# KiCad board KB75.kicad_pcb (continued)
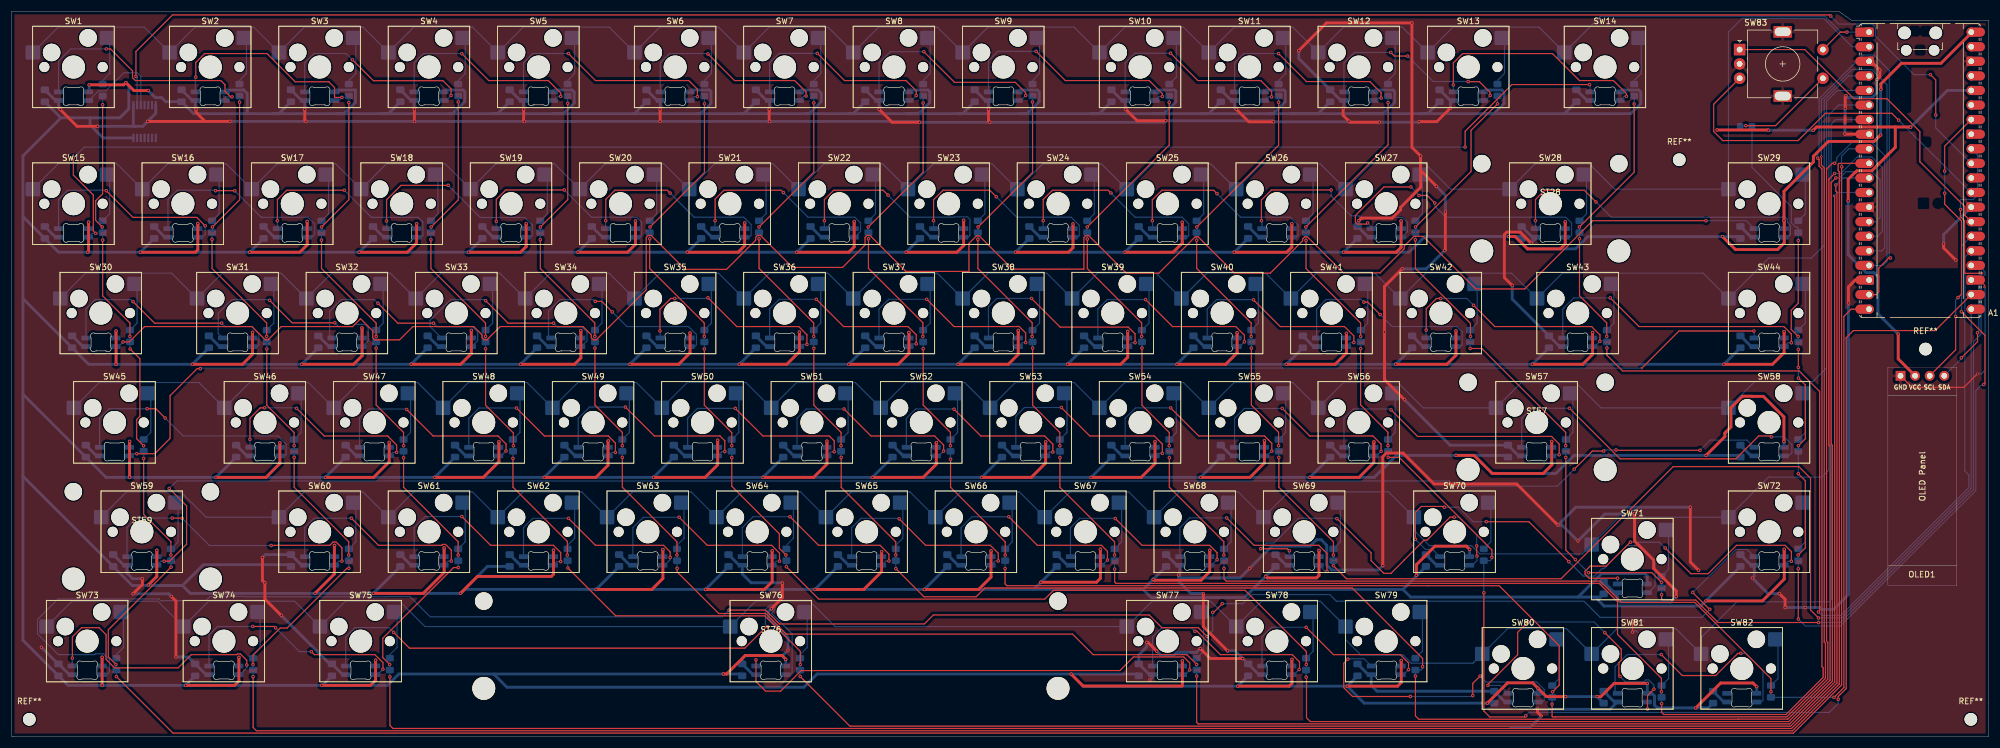
[diagram p0: board, top side]
## Placement (name value [footprint] x y rotation side) (continued)
U1  74AHCT125  [TSSOP-14_4.4x5mm_P0.65mm]  23.17 107.14 270 bottom

## Library data of the parts
A1 = -: Datasheet: https://datasheets.raspberrypi.com/pico/pico-datasheet.pdf; Description: Versatile and inexpensive microcontroller module powered by RP2040 dual-core Arm Cortex-M0+ processor up to 133 MHz, 264kB SRAM, 2MB QSPI flash; also supports Raspberry Pi Pico 2; ki_fp_filters: RaspberryPi?Pico?Common* RaspberryPi?Pico?SMD*
C1-C82 = -: Description: Unpolarized capacitor; ki_fp_filters: C_*
D1-D83 = -: Description: Diode; Sim.Pins: 1=K 2=A; ki_fp_filters: TO-???* *_Diode_* *SingleDiode* D_*
ST28 ST57 ST59 ST76 = -: F4: mounting hole; ki_keywords: mounting hole; F5: Mounting Hole without connection; ki_description: Mounting Hole without connection
SW1-SW82 = -: Datasheet: http://www.apem.com/int/index.php?controller=attachment&id_attachment=488; Description: MEC 5G single pole normally-open tactile switch
SW83 = -: Description: Rotary encoder, dual channel, incremental quadrate outputs, with switch and MP Pin; ki_fp_filters: RotaryEncoder*Switch*
U1 = -: Datasheet: https://www.ti.com/lit/ds/symlink/sn74ahct125.pdf; Description: Quadruple Bus Buffer Gates With 3-State Outputs; ki_fp_filters: DIP*W7.62mm* SO14* SSOP?14* TSSOP?14* SOIC*3.9x8.7mm*P1.27mm*

## Footprints (pads in the part's own frame, mm; a bottom-side part is the same pattern mirrored in y, then rotated)
C_0805_2012Metric_Pad1.18x1.45mm_HandSolder
  rrect 1.175x1.45 smd: 1(-1.038,0) 2(1.038,0)
D_0805_2012Metric_Pad1.15x1.40mm_HandSolder
  rrect 1.15x1.4 smd: 1(-1.025,0) 2(1.025,0)
MountingHole_2.2mm_M2
  round 2.2 hole 2.2 unplated: (0,0)
MX_SK6812MINI-E
  rrect 1.6x0.82 smd far side: 1(-2.6,-4.33) 2(-2.6,-5.83) 3(2.6,-5.83) 4(2.6,-4.33)
RaspberryPi_Pico_Common_Unspecified
  round 2.2 hole 2.2 unplated: (-2.725,24) (2.725,24)
  round 1.85 hole 1.85 unplated: (-2.425,20.97) (2.425,20.97)
  custom 3.2x1.6 smd: 1(-9.69,24.13) 3(-9.69,19.05) 8(-9.69,6.35) 13(-9.69,-6.35) 18(-9.69,-19.05) 23(9.69,-19.05) 28(9.69,-6.35) 33(9.69,6.35) 38(9.69,19.05)
  rrect 1.6x1.6 hole 1: 1(-8.89,24.13)
  rrect 3.2x1.6 smd: 2(-9.69,21.59) 4(-9.69,16.51) 5(-9.69,13.97) 6(-9.69,11.43) 7(-9.69,8.89) 9(-9.69,3.81) 10(-9.69,1.27) 11(-9.69,-1.27) 12(-9.69,-3.81) 14(-9.69,-8.89) 15(-9.69,-11.43) 16(-9.69,-13.97) 17(-9.69,-16.51) 19(-9.69,-21.59) 20(-9.69,-24.13) 21(9.69,-24.13) 22(9.69,-21.59) 24(9.69,-16.51) 25(9.69,-13.97) 26(9.69,-11.43) 27(9.69,-8.89) 29(9.69,-3.81) 30(9.69,-1.27) 31(9.69,1.27) 32(9.69,3.81) 34(9.69,8.89) 35(9.69,11.43) 36(9.69,13.97) 37(9.69,16.51) 39(9.69,21.59) 40(9.69,24.13)
  round 1.6 hole 1: 2(-8.89,21.59) 4(-8.89,16.51) 5(-8.89,13.97) 6(-8.89,11.43) 7(-8.89,8.89) 9(-8.89,3.81) 10(-8.89,1.27) 11(-8.89,-1.27) 12(-8.89,-3.81) 14(-8.89,-8.89) 15(-8.89,-11.43) 16(-8.89,-13.97) 17(-8.89,-16.51) 19(-8.89,-21.59) 20(-8.89,-24.13) 21(8.89,-24.13) 22(8.89,-21.59) 24(8.89,-16.51) 25(8.89,-13.97) 26(8.89,-11.43) 27(8.89,-8.89) 29(8.89,-3.81) 30(8.89,-1.27) 31(8.89,1.27) 32(8.89,3.81) 34(8.89,8.89) 35(8.89,11.43) 36(8.89,13.97) 37(8.89,16.51) 39(8.89,21.59) 40(8.89,24.13)
  custom 1.6x1.6 hole 1: 3(-8.89,19.05) 8(-8.89,6.35) 13(-8.89,-6.35) 18(-8.89,-19.05) 23(8.89,-19.05) 28(8.89,-6.35) 33(8.89,6.35) 38(8.89,19.05)
RotaryEncoder_Alps_EC11E-Switch_Vertical_H20mm
  rect 2x2 hole 1: A(0,0)
  round 2 hole 1: B(0,-5) C(0,-2.5) S1(14.5,-5) S2(14.5,0)
  rect 3.2x2 hole 2.8x1.5: MP(7.5,3.1) MP(7.5,-8.1)
SSD1306-0.91-OLED-4pin-128x32
  rect 1.7x1.7 hole 1: 1(36.5,-2.19)
  oval 1.7x1.7 hole 1: 2(36.5,-4.73) 3(36.5,-7.27) 4(36.5,-9.81)
Stabilizer_Cherry_MX_2.00u
  round 3.048 hole 3.048 unplated: (-11.938,6.985) (11.938,6.985)
  round 3.988 hole 3.988 unplated: (-11.938,-8.225) (11.938,-8.225)
Stabilizer_Cherry_MX_6.25u
  round 3.048 hole 3.048 unplated: (-50,6.985) (50,6.985)
  round 3.988 hole 3.988 unplated: (-50,-8.225) (50,-8.225)
SW_Hotswap_Kailh_MX_1.00u
  round 1.75 hole 1.75 unplated: (-5.08,0) (5.08,0)
  round 3.05 hole 3.05 unplated: (-3.81,2.54) (2.54,5.08)
  round 4 hole 4 unplated: (0,0)
  rrect 2.55x2.5 smd far side: 1(-7.085,2.54) 2(5.842,5.08)
TSSOP-14_4.4x5mm_P0.65mm
  rrect 1.475x0.4 smd: 1(-2.862,1.95) 2(-2.862,1.3) 3(-2.862,0.65) 4(-2.862,0) 5(-2.862,-0.65) 6(-2.862,-1.3) 7(-2.862,-1.95) 8(2.862,-1.95) 9(2.862,-1.3) 10(2.862,-0.65) 11(2.862,0) 12(2.862,0.65) 13(2.862,1.3) 14(2.862,1.95)

## Nets
+3.3V: A1.36 OLED1.2
+5V: A1.40 C1.2 C2.2 C3.2 C4.2 C5.2 C6.2 C7.2 C8.2 C9.2 C10.2 C11.2 C12.2 C13.2 C14.2 C15.2 C16.2 C17.2 C18.2 C19.2 C20.2 C21.2 C22.2 C23.2 C24.2 C25.2 C26.2 C27.2 C28.2 C29.2 C30.2 C31.2 C32.2 C33.2 C34.2 C35.2 C36.2 C37.2 C38.2 C39.2 C40.2 C41.2 C42.2 C43.2 C44.2 C45.2 C46.2 C47.2 C48.2 C49.2 C50.2 C51.2 C52.2 C53.2 C54.2 C55.2 C56.2 C57.2 C58.2 C59.2 C60.2 C61.2 C62.2 C63.2 C64.2 C65.2 C66.2 C67.2 C68.2 C69.2 C70.2 C71.2 C72.2 C73.2 C74.2 C75.2 C76.2 C77.2 C78.2 C79.2 C80.2 C81.2 C82.2 LED1.4 LED2.4 LED3.4 LED4.4 LED5.4 LED6.4 LED7.4 LED8.4 LED9.4 LED10.4 LED11.4 LED12.4 LED13.4 LED14.4 LED15.4 LED16.4 LED17.4 LED18.4 LED19.4 LED20.4 LED21.4 LED22.4 LED23.4 LED24.4 LED25.4 LED26.4 LED27.4 LED28.4 LED29.4 LED30.4 LED31.4 LED32.4 LED33.4 LED34.4 LED35.4 LED36.4 LED37.4 LED38.4 LED39.4 LED40.4 LED41.4 LED42.4 LED43.4 LED44.4 LED45.4 LED46.4 LED47.4 LED48.4 LED49.4 LED50.4 LED51.4 LED52.4 LED53.4 LED54.4 LED55.4 LED56.4 LED57.4 LED58.4 LED59.4 LED60.4 LED61.4 LED62.4 LED63.4 LED64.4 LED65.4 LED66.4 LED67.4 LED68.4 LED69.4 LED70.4 LED71.4 LED72.4 LED73.4 LED74.4 LED75.4 LED76.4 LED77.4 LED78.4 LED79.4 LED80.4 LED81.4 LED82.4 U1.14
GND: A1.3 A1.8 A1.13 A1.18 A1.23 A1.28 A1.38 C1.1 C2.1 C3.1 C4.1 C5.1 C6.1 C7.1 C8.1 C9.1 C10.1 C11.1 C12.1 C13.1 C14.1 C15.1 C16.1 C17.1 C18.1 C19.1 C20.1 C21.1 C22.1 C23.1 C24.1 C25.1 C26.1 C27.1 C28.1 C29.1 C30.1 C31.1 C32.1 C33.1 C34.1 C35.1 C36.1 C37.1 C38.1 C39.1 C40.1 C41.1 C42.1 C43.1 C44.1 C45.1 C46.1 C47.1 C48.1 C49.1 C50.1 C51.1 C52.1 C53.1 C54.1 C55.1 C56.1 C57.1 C58.1 C59.1 C60.1 C61.1 C62.1 C63.1 C64.1 C65.1 C66.1 C67.1 C68.1 C69.1 C70.1 C71.1 C72.1 C73.1 C74.1 C75.1 C76.1 C77.1 C78.1 C79.1 C80.1 C81.1 C82.1 LED1.2 LED2.2 LED3.2 LED4.2 LED5.2 LED6.2 LED7.2 LED8.2 LED9.2 LED10.2 LED11.2 LED12.2 LED13.2 LED14.2 LED15.2 LED16.2 LED17.2 LED18.2 LED19.2 LED20.2 LED21.2 LED22.2 LED23.2 LED24.2 LED25.2 LED26.2 LED27.2 LED28.2 LED29.2 LED30.2 LED31.2 LED32.2 LED33.2 LED34.2 LED35.2 LED36.2 LED37.2 LED38.2 LED39.2 LED40.2 LED41.2 LED42.2 LED43.2 LED44.2 LED45.2 LED46.2 LED47.2 LED48.2 LED49.2 LED50.2 LED51.2 LED52.2 LED53.2 LED54.2 LED55.2 LED56.2 LED57.2 LED58.2 LED59.2 LED60.2 LED61.2 LED62.2 LED63.2 LED64.2 LED65.2 LED66.2 LED67.2 LED68.2 LED69.2 LED70.2 LED71.2 LED72.2 LED73.2 LED74.2 LED75.2 LED76.2 LED77.2 LED78.2 LED79.2 LED80.2 LED81.2 LED82.2 OLED1.1 SW83.C SW83.MP U1.1 U1.7
C1: A1.9 D1.1 D15.1 D30.1 D45.1 D59.1 D73.1
C2: A1.10 D2.1 D16.1 D31.1 D46.1 D60.1 D74.1
C3: A1.11 D3.1 D17.1 D32.1 D47.1 D61.1 D75.1
C4: A1.12 D4.1 D18.1 D33.1 D48.1 D62.1 D76.1
C5: A1.14 D5.1 D19.1 D34.1 D49.1 D63.1 D77.1
C6: A1.15 D6.1 D20.1 D35.1 D50.1 D64.1 D78.1
C7: A1.16 D7.1 D21.1 D36.1 D51.1 D65.1 D79.1
C8: A1.17 D8.1 D22.1 D37.1 D52.1 D66.1 D80.1
C9: A1.19 D9.1 D23.1 D38.1 D53.1 D67.1 D81.1
C10: A1.20 D10.1 D24.1 D39.1 D54.1 D68.1 D82.1
C11: A1.21 D11.1 D25.1 D40.1 D55.1 D69.1
C12: A1.22 D12.1 D26.1 D41.1 D56.1 D70.1
C13: A1.24 D13.1 D27.1 D42.1 D57.1 D71.1
C14: A1.25 D14.1 D28.1 D43.1
C15: A1.26 D29.1 D44.1 D58.1 D72.1 D83.1
E-A: A1.27 SW83.A
E-B: A1.29 SW83.B
E-SW1: D83.2 SW83.S1
E-SW2: A1.1 SW1.1 SW2.1 SW3.1 SW4.1 SW5.1 SW6.1 SW7.1 SW8.1 SW9.1 SW10.1 SW11.1 SW12.1 SW13.1 SW14.1 SW83.S2
R2: A1.2 SW15.1 SW16.1 SW17.1 SW18.1 SW19.1 SW20.1 SW21.1 SW22.1 SW23.1 SW24.1 SW25.1 SW26.1 SW27.1 SW28.1 SW29.1
R3: A1.4 SW30.1 SW31.1 SW32.1 SW33.1 SW34.1 SW35.1 SW36.1 SW37.1 SW38.1 SW39.1 SW40.1 SW41.1 SW42.1 SW43.1 SW44.1
R4: A1.5 SW45.1 SW46.1 SW47.1 SW48.1 SW49.1 SW50.1 SW51.1 SW52.1 SW53.1 SW54.1 SW55.1 SW56.1 SW57.1 SW58.1
R5: A1.6 SW59.1 SW60.1 SW61.1 SW62.1 SW63.1 SW64.1 SW65.1 SW66.1 SW67.1 SW68.1 SW69.1 SW70.1 SW71.1 SW72.1
R6: A1.7 SW73.1 SW74.1 SW75.1 SW76.1 SW77.1 SW78.1 SW79.1 SW80.1 SW81.1 SW82.1
RGB: A1.31 U1.2
RGB_Level: LED1.3 U1.3
SCL: A1.34 OLED1.3
SDA: A1.32 OLED1.4
Net-(D1-A): D1.2 SW1.2
Net-(D2-A): D2.2 SW2.2
Net-(D3-A): D3.2 SW3.2
Net-(D4-A): D4.2 SW4.2
Net-(D5-A): D5.2 SW5.2
Net-(D6-A): D6.2 SW6.2
Net-(D7-A): D7.2 SW7.2
Net-(D8-A): D8.2 SW8.2
Net-(D9-A): D9.2 SW9.2
Net-(D10-A): D10.2 SW10.2
Net-(D11-A): D11.2 SW11.2
Net-(D12-A): D12.2 SW12.2
Net-(D13-A): D13.2 SW13.2
Net-(D14-A): D14.2 SW14.2
Net-(D15-A): D15.2 SW15.2
Net-(D16-A): D16.2 SW16.2
Net-(D17-A): D17.2 SW17.2
Net-(D18-A): D18.2 SW18.2
Net-(D19-A): D19.2 SW19.2
Net-(D20-A): D20.2 SW20.2
Net-(D21-A): D21.2 SW21.2
Net-(D22-A): D22.2 SW22.2
Net-(D23-A): D23.2 SW23.2
Net-(D24-A): D24.2 SW24.2
Net-(D25-A): D25.2 SW25.2
Net-(D26-A): D26.2 SW26.2
Net-(D27-A): D27.2 SW27.2
Net-(D28-A): D28.2 SW28.2
Net-(D29-A): D29.2 SW29.2
Net-(D30-A): D30.2 SW30.2
Net-(D31-A): D31.2 SW31.2
Net-(D32-A): D32.2 SW32.2
Net-(D33-A): D33.2 SW33.2
Net-(D34-A): D34.2 SW34.2
Net-(D35-A): D35.2 SW35.2
Net-(D36-A): D36.2 SW36.2
Net-(D37-A): D37.2 SW37.2
Net-(D38-A): D38.2 SW38.2
Net-(D39-A): D39.2 SW39.2
Net-(D40-A): D40.2 SW40.2
Net-(D41-A): D41.2 SW41.2
Net-(D42-A): D42.2 SW42.2
Net-(D43-A): D43.2 SW43.2
Net-(D44-A): D44.2 SW44.2
Net-(D45-A): D45.2 SW45.2
Net-(D46-A): D46.2 SW46.2
Net-(D47-A): D47.2 SW47.2
Net-(D48-A): D48.2 SW48.2
Net-(D49-A): D49.2 SW49.2
Net-(D50-A): D50.2 SW50.2
Net-(D51-A): D51.2 SW51.2
Net-(D52-A): D52.2 SW52.2
Net-(D53-A): D53.2 SW53.2
Net-(D54-A): D54.2 SW54.2
Net-(D55-A): D55.2 SW55.2
Net-(D56-A): D56.2 SW56.2
Net-(D57-A): D57.2 SW57.2
Net-(D58-A): D58.2 SW58.2
Net-(D59-A): D59.2 SW59.2
Net-(D60-A): D60.2 SW60.2
Net-(D61-A): D61.2 SW61.2
Net-(D62-A): D62.2 SW62.2
Net-(D63-A): D63.2 SW63.2
Net-(D64-A): D64.2 SW64.2
Net-(D65-A): D65.2 SW65.2
Net-(D66-A): D66.2 SW66.2
Net-(D67-A): D67.2 SW67.2
Net-(D68-A): D68.2 SW68.2
Net-(D69-A): D69.2 SW69.2
Net-(D70-A): D70.2 SW70.2
Net-(D71-A): D71.2 SW71.2
Net-(D72-A): D72.2 SW72.2
Net-(D73-A): D73.2 SW73.2
Net-(D74-A): D74.2 SW74.2
Net-(D75-A): D75.2 SW75.2
Net-(D76-A): D76.2 SW76.2
Net-(D77-A): D77.2 SW77.2
Net-(D78-A): D78.2 SW78.2
Net-(D79-A): D79.2 SW79.2
Net-(D80-A): D80.2 SW80.2
Net-(D81-A): D81.2 SW81.2
Net-(D82-A): D82.2 SW82.2
Net-(LED1-DOUT): LED1.1 LED2.3
Net-(LED2-DOUT): LED2.1 LED3.3
Net-(LED3-DOUT): LED3.1 LED4.3
Net-(LED4-DOUT): LED4.1 LED5.3
Net-(LED5-DOUT): LED5.1 LED6.3
Net-(LED6-DOUT): LED6.1 LED7.3
Net-(LED7-DOUT): LED7.1 LED8.3
Net-(LED8-DOUT): LED8.1 LED9.3
Net-(LED10-DIN): LED9.1 LED10.3
Net-(LED10-DOUT): LED10.1 LED11.3
Net-(LED11-DOUT): LED11.1 LED12.3
Net-(LED12-DOUT): LED12.1 LED13.3
Net-(LED13-DOUT): LED13.1 LED14.3
Net-(LED14-DOUT): LED14.1 LED15.3
Net-(LED15-DOUT): LED15.1 LED16.3
Net-(LED16-DOUT): LED16.1 LED17.3
Net-(LED17-DOUT): LED17.1 LED18.3
Net-(LED18-DOUT): LED18.1 LED19.3
Net-(LED19-DOUT): LED19.1 LED20.3
Net-(LED20-DOUT): LED20.1 LED21.3
Net-(LED21-DOUT): LED21.1 LED22.3
Net-(LED22-DOUT): LED22.1 LED23.3
Net-(LED23-DOUT): LED23.1 LED24.3
Net-(LED24-DOUT): LED24.1 LED25.3
Net-(LED25-DOUT): LED25.1 LED26.3
Net-(LED26-DOUT): LED26.1 LED27.3
Net-(LED27-DOUT): LED27.1 LED28.3
Net-(LED28-DOUT): LED28.1 LED29.3
Net-(LED29-DOUT): LED29.1 LED30.3
Net-(LED30-DOUT): LED30.1 LED31.3
Net-(LED31-DOUT): LED31.1 LED32.3
Net-(LED32-DOUT): LED32.1 LED33.3
Net-(LED33-DOUT): LED33.1 LED34.3
Net-(LED34-DOUT): LED34.1 LED35.3
Net-(LED35-DOUT): LED35.1 LED36.3
Net-(LED36-DOUT): LED36.1 LED37.3
Net-(LED37-DOUT): LED37.1 LED38.3
Net-(LED38-DOUT): LED38.1 LED39.3
Net-(LED39-DOUT): LED39.1 LED40.3
Net-(LED40-DOUT): LED40.1 LED41.3
Net-(LED41-DOUT): LED41.1 LED42.3
Net-(LED42-DOUT): LED42.1 LED43.3
Net-(LED43-DOUT): LED43.1 LED44.3
Net-(LED44-DOUT): LED44.1 LED45.3
Net-(LED45-DOUT): LED45.1 LED46.3
Net-(LED46-DOUT): LED46.1 LED47.3
Net-(LED47-DOUT): LED47.1 LED48.3
Net-(LED48-DOUT): LED48.1 LED49.3
Net-(LED49-DOUT): LED49.1 LED50.3
Net-(LED50-DOUT): LED50.1 LED51.3
Net-(LED51-DOUT): LED51.1 LED52.3
Net-(LED52-DOUT): LED52.1 LED53.3
Net-(LED53-DOUT): LED53.1 LED54.3
Net-(LED54-DOUT): LED54.1 LED55.3
Net-(LED55-DOUT): LED55.1 LED56.3
Net-(LED56-DOUT): LED56.1 LED57.3
Net-(LED57-DOUT): LED57.1 LED58.3
Net-(LED58-DOUT): LED58.1 LED59.3
Net-(LED59-DOUT): LED59.1 LED60.3
Net-(LED60-DOUT): LED60.1 LED61.3
Net-(LED61-DOUT): LED61.1 LED62.3
Net-(LED62-DOUT): LED62.1 LED63.3
Net-(LED63-DOUT): LED63.1 LED64.3
Net-(LED64-DOUT): LED64.1 LED65.3
Net-(LED65-DOUT): LED65.1 LED66.3
Net-(LED66-DOUT): LED66.1 LED67.3
Net-(LED67-DOUT): LED67.1 LED68.3
Net-(LED68-DOUT): LED68.1 LED69.3
Net-(LED69-DOUT): LED69.1 LED70.3
Net-(LED70-DOUT): LED70.1 LED71.3
Net-(LED71-DOUT): LED71.1 LED72.3
Net-(LED72-DOUT): LED72.1 LED73.3
Net-(LED73-DOUT): LED73.1 LED74.3
Net-(LED74-DOUT): LED74.1 LED75.3
Net-(LED75-DOUT): LED75.1 LED76.3
Net-(LED76-DOUT): LED76.1 LED77.3
Net-(LED77-DOUT): LED77.1 LED78.3
Net-(LED78-DOUT): LED78.1 LED79.3
Net-(LED79-DOUT): LED79.1 LED80.3
Net-(LED80-DOUT): LED80.1 LED81.3
Net-(LED81-DOUT): LED81.1 LED82.3

Pads without a net: A1 30 33 35 37 39; LED82 1; U1 4 5 6 8 9 10 11 12 13

## Via types
v1: diameter 0.6, hole 0.3, Top to Bottom, 610 vias
v2: diameter 0.5, hole 0.3, Top to Bottom, 1 via
v3: diameter 0.4, hole 0.2, Top to Bottom, 9 vias

## Routing (per net, layer and track width the routed paths; a pad name or vN(x,y) marks a point on that pad's centre or on a via; arc(x,y) is an arc through that point)
+3.3V: length 101.1
  Top w0.5: 328.05,106.18 314.34,106.18 v1(313.75,105.59) ; 328.05,106.18 330.67,106.18 v1(330.71,106.15) ; 328.05,106.18 328.05,102.64 323.97,98.56 321.37,98.56 321.06,98.25 321.02,98.25 319.85,97.08 v1(319.85,93.33) ; v1(297.02,105.66) 305.89,105.66 v1(305.93,105.62) ; OLED1.2 328.56,65.78 v1(328.56,70.12)
  Bottom w0.5: v1(305.93,105.62) 313.72,105.62 v1(313.75,105.59) ; v1(330.71,106.15) 337.11,112.55 A1.36 ; v1(319.85,93.33) 319.85,83.94 322.97,80.82 324.32,80.82 325.02,80.12 325.02,73.65 v1(328.56,70.12)
+5V: length 3540.3
  Top w0.5: v1(108.67,89.81) 108.67,85.75 107.28,84.36 v1(98.64,84.36) ; v1(180.09,51.33) 180.09,47.64 177.59,45.14 v1(168.96,45.14) ; v1(184.53,10.88) 186.62,8.79 203.84,8.79 203.9,8.85 v1(203.9,13.19) ; v1(202.94,64.84) 211.44,64.84 213.45,66.85 213.43,66.87 v1(213.43,70.34) ; v1(308.69,70.53) 308.69,66.87 306.66,64.84 v1(298.19,64.84) ; v1(308.66,51.37) 308.66,55.67 305.07,59.25 303.13,59.25 303.1,59.28 301.43,59.28 299.43,57.28 299.43,53.93 298.37,52.87 298.37,52.25 v1(295.1,48.98) ; v1(54.04,8.91) 62.52,8.91 63.42,9.81 63.41,9.82 v1(63.41,13.29) ; v1(203.89,89.59) 203.89,85.96 202.29,84.36 v1(193.89,84.36) ; v1(170.58,32.34) 170.58,27.78 168.42,25.62 v1(158.96,25.62) ; v1(54.66,45.14) 63.07,45.14 65.78,47.85 v1(65.78,51.23) ; v1(232.47,70.23) 232.48,70.22 232.48,66.82 230.5,64.84 v1(221.99,64.84) ; v1(13.43,89.61) 13.43,84.51 v1(13.28,84.36) ; v1(146.77,89.71) 146.75,89.69 146.75,85.3 145.81,84.36 v1(136.74,84.36) ; v1(123.97,10.88) 124.54,10.88 127.76,14.11 134.2,14.11 134.82,13.49 v1(134.82,13.42) ; v1(149.91,45.14) 158.76,45.14 161.06,47.44 v1(161.06,51.19) ; v1(325.54,112.73) 325.54,113.7 329.12,117.28 336.01,117.28 341.43,122.71 A1.40 ; v1(56.27,33.29) 56.23,33.25 56.23,28.31 v1(52.86,24.94) ; v1(73.71,45.14) 82.16,45.14 84.89,47.87 v1(84.89,51.34) ; v1(79.59,84.36) 88.64,84.36 89.63,85.35 v1(89.63,89.33) ; v1(208.67,32.44) 208.67,28.73 207.16,27.23 198.97,27.23 v1(198.82,27.38) ; v1(20.57,51.41) 20.57,45.15 v1(20.58,45.14) ; v1(226.11,45.14) 234.67,45.14 237.24,47.71 237.24,51.31 v1(237.26,51.33) ; v1(244.66,28.08) 244.66,29.94 247.88,33.16 253.37,33.16 v1(253.93,32.6) ; v1(222.96,89.34) 222.96,85.25 222.07,84.36 v1(212.94,84.36) ; v1(80.08,70.74) 80.08,66.7 78.22,64.84 v1(69.59,64.84) ; v1(117.69,84.36) 126.53,84.36 127.68,85.51 v1(127.68,89.46) ; v1(194.38,70.57) 194.38,66.07 193.15,64.84 v1(183.89,64.84) ; v1(174.84,84.36) 184.07,84.36 184.86,85.15 v1(184.86,89.29) ; v1(30.33,8.91) 38.86,8.91 39.61,9.66 v1(39.61,13.79) ; v1(23.82,26.4) 25.31,27.89 v1(25.31,32.44) ; v1(241.04,64.84) 249.96,64.84 251.55,66.43 v1(251.55,70.67) ; v1(61.02,71.18) 61.06,71.14 61.06,66.32 59.58,64.84 v1(50.54,64.84) ; v1(132.47,32.36) 132.47,26.96 131.13,25.62 v1(120.86,25.62) ; v1(293.3,4.98) 297.64,9.32 303.27,9.32 v1(303.91,8.68) ; v1(18.22,70.64) 18.22,64.85 v1(18.21,64.84) ; v1(276.12,6.95) 276.77,6.95 279.08,9.26 v1(284.86,9.26) ; v1(31.49,64.84) 40.23,64.84 41.98,66.59 v1(41.98,70.42) ; v1(94.39,32.45) 94.39,28.27 94.01,27.89 81.15,27.89 v1(78.2,24.94) ; v1(308.71,32.61) 308.71,27.42 304.91,23.62 v1(295.07,23.62) ; v1(231.99,84.36) 241.15,84.36 241.99,85.2 v1(241.99,89.82) ; v1(41.49,84.36) 50.22,84.36 51.5,85.64 v1(51.5,89.73) ; v1(111.81,45.14) 120.78,45.14 122.98,47.34 v1(122.98,51.61) ; v1(156.29,70.39) 156.29,66.73 154.4,64.84 v1(145.79,64.84) ; v1(113.44,32.57) 113.44,27.54 111.52,25.62 v1(101.81,25.62) ; v1(92.76,45.14) 101.77,45.14 103.89,47.26 103.89,51.43 v1(103.95,51.49) ; v1(137.21,70.45) 137.21,67.04 135.01,64.84 v1(126.74,64.84) ; v1(222.98,13.44) 222.98,9.25 222.5,8.77 v1(213.55,8.77) ; v1(88.64,64.84) 98.05,64.84 99.16,65.95 99.16,70.69 v1(99.14,70.71) ; v1(118.17,70.3) 118.17,66.84 118.18,66.83 116.19,64.84 v1(107.69,64.84) ; v1(22.44,84.36) 32.04,84.36 32.45,84.77 v1(32.45,89.37) ; v1(242.02,13.24) 242.02,9.41 241.38,8.77 v1(232.6,8.77) ; v1(130.86,45.14) 139.69,45.14 142.01,47.46 v1(142.01,51.45) ; v1(218.2,51.51) 218.19,51.5 218.19,47.66 215.67,45.14 v1(207.06,45.14) ; v1(257,5.81) 260.53,9.35 264.9,9.35 v1(265.82,8.43) 267.3,6.95 v1(270.62,6.95) ; v1(15.81,8.91) 15.79,8.93 v1(15.79,13.81) ; v1(46.74,51.16) 46.74,47.6 46.76,47.58 44.32,45.14 v1(35.61,45.14) ; v1(199.13,51.38) 199.13,48.23 199.15,48.21 199.15,47.56 196.73,45.14 v1(188.01,45.14) ; v1(139.91,25.62) 148.43,25.62 151.53,28.72 v1(151.53,32.19) ; v1(189.63,32.63) 189.63,27.56 188.94,26.87 v1(179.24,26.87) ; v1(268.22,51.4) 268.22,47.4 268.27,47.35 266.74,45.82 257.85,45.82 254.69,48.98 v1(251.56,48.98) ; v1(23.82,112.52) 21.32,112.52 v1(19.93,113.91) 19.54,113.52 v1(13.53,113.52) ; v1(60.54,84.36) 68.94,84.36 70.55,85.97 70.55,89.3 v1(70.56,89.31) ; v1(155.79,84.36) 164.64,84.36 165.85,85.57 165.81,85.61 v1(165.81,89.93) ; v1(164.84,64.84) 173.59,64.84 175.32,66.57 v1(175.32,70.74) ; v1(297.97,87.08) 300.22,84.83 307.54,84.83 308.72,86.01 308.72,89.81 v1(308.67,89.86) 308.67,94.98 313.78,100.09 313.78,101.08 316.38,103.67 324.36,103.67 v1(325.49,104.79) ; v1(275.34,70.39) 275.34,66.56 273.62,64.84 v1(264.86,64.84) ; v1(227.7,32.42) 227.7,28.05 227.27,27.63 218.7,27.63 v1(218.41,27.92) ; v1(63.03,24.94) 71.7,24.94 75.35,28.58 v1(75.35,32.86) ; v1(260.72,87.12) 261.83,87.12 264.01,84.94 269.71,84.94 270.58,85.81 v1(270.58,89.68)
  Bottom w0.5: LED42.4 251.53,70.65 v1(251.55,70.67) ; v1(199.13,51.38) 199.14,51.37 LED54.4 ; v1(221.99,64.84) v1(202.94,64.84) ; v1(221.99,64.84) v1(241.04,64.84) ; v1(221.99,64.84) C41.2 ; v1(202.94,64.84) v1(183.89,64.84) ; v1(202.94,64.84) C40.2 ; v1(127.68,89.46) 127.7,89.44 127.7,88.48 ; v1(142.01,51.45) 141.99,51.44 LED51.4 ; v1(54.04,8.91) 65.47,8.91 67.44,10.88 83.98,10.88 ; v1(54.04,8.91) v1(30.33,8.91) ; v1(54.04,8.91) 54.14,8.91 C75.2 ; v1(22.44,84.36) v1(13.28,84.36) 8.21,84.36 C15.2 1.99,90.59 ; v1(22.44,84.36) C16.2 ; v1(22.44,84.36) v1(41.49,84.36) ; C36.2 v1(126.74,64.84) ; v1(126.74,64.84) v1(107.69,64.84) ; v1(126.74,64.84) v1(145.79,64.84) ; C10.2 189.45,108.5 187.97,108.5 ; v1(253.93,32.6) 253.91,32.58 LED70.4 ; LED6.4 118.51,112.62 121.52,112.62 121.81,112.34 121.81,110.3 120.01,108.5 119.44,108.5 ; 8.62,107.77 13.69,107.77 ; 8.62,107.77 C1.2 ; 8.62,107.77 1.99,101.15 1.99,90.59 ; 13.69,107.77 13.69,106.55 15.96,104.28 21.22,104.28 ; 13.69,107.77 18.86,107.77 20.44,109.35 20.44,113.4 v1(19.93,113.91) ; v1(31.49,64.84) v1(18.21,64.84) 13.45,64.84 C30.2 1.99,76.3 ; v1(31.49,64.84) v1(50.54,64.84) ; v1(31.49,64.84) C31.2 ; C70.2 276.68,24.28 275.79,24.28 ; 216.11,25.62 v1(218.41,27.92) C68.2 ; 216.11,25.62 242.3,25.62 ; 216.11,25.62 214.7,24.21 198.47,24.21 197.06,25.62 ; LED24.4 184.85,89.29 v1(184.86,89.29) ; LED23.4 165.8,89.93 v1(165.81,89.93) ; LED8.4 156.61,112.62 159.6,112.62 159.91,112.32 159.91,110.46 157.95,108.5 155.91,108.5 ; v1(30.33,8.91) v1(15.81,8.91) 9.84,8.91 C73.2 1.99,16.77 1.99,45.34 ; v1(30.33,8.91) C74.2 ; C46.2 v1(35.61,45.14) ; v1(35.61,45.14) v1(54.66,45.14) ; v1(35.61,45.14) v1(20.58,45.14) 16.44,45.14 16.44,45.18 C45.2 1.99,59.63 ; v1(232.47,70.23) 232.48,70.22 LED41.4 ; 56.62,108.5 45.62,108.5 ; 56.62,108.5 57.89,108.5 59.89,110.51 59.89,112.57 59.84,112.62 56.59,112.62 LED3.4 ; 56.62,108.5 64.36,108.5 ; 45.62,108.5 46.58,108.5 C3.2 ; 45.62,108.5 41.06,108.5 ; LED69.4 227.71,32.41 v1(227.7,32.42) ; v1(284.86,9.26) 284.86,9.25 LED81.4 285.66,7.52 286.11,7.07 286.11,5.47 286.6,4.98 v1(293.3,4.98) 295.48,4.98 C82.2 ; LED77.4 203.9,13.19 v1(203.9,13.19) ; C42.2 v1(241.04,64.84) ; v1(241.04,64.84) v1(264.86,64.84) ; C49.2 v1(92.76,45.14) ; v1(92.76,45.14) v1(73.71,45.14) ; v1(92.76,45.14) v1(111.81,45.14) ; v1(60.54,84.36) v1(41.49,84.36) ; v1(60.54,84.36) C18.2 ; v1(60.54,84.36) v1(79.59,84.36) ; v1(41.49,84.36) C17.2 ; C37.2 v1(145.79,64.84) ; v1(145.79,64.84) v1(164.84,64.84) ; 41.06,108.5 41.06,112.01 40.43,112.63 40.41,112.63 40.4,112.62 37.54,112.62 LED2.4 ; 41.06,108.5 31.7,108.5 C2.2 26.85,110.59 26.13,111.31 25.03,111.31 v1(23.82,112.52) ; v1(84.89,51.34) 84.84,51.3 LED48.4 ; v1(184.53,10.88) 140.29,10.88 137.99,8.58 86.28,8.58 83.98,10.88 ; v1(184.53,10.88) 186.64,8.77 v1(213.55,8.77) ; v1(184.53,10.88) 195.99,10.88 C77.2 ; C22.2 v1(136.74,84.36) ; v1(136.74,84.36) v1(155.79,84.36) ; v1(136.74,84.36) v1(117.69,84.36) ; v1(73.71,45.14) v1(54.66,45.14) ; v1(73.71,45.14) C48.2 ; v1(54.66,45.14) C47.2 ; v1(51.5,89.73) 51.5,89.73 LED17.4 ; LED45.4 20.54,51.39 v1(20.57,51.41) ; LED62.4 94.36,32.43 v1(94.39,32.45) ; C38.2 v1(164.84,64.84) ; v1(164.84,64.84) v1(183.89,64.84) ; v1(63.41,13.29) 63.41,13.29 LED75.4 ; v1(218.2,51.51) 218.19,51.51 LED55.4 ; v1(189.63,32.63) 189.61,32.62 LED67.4 ; LED40.4 v1(213.43,70.34) ; v1(130.86,45.14) v1(149.91,45.14) ; v1(130.86,45.14) v1(111.81,45.14) ; v1(130.86,45.14) C51.2 ; v1(149.91,45.14) 168.59,45.14 ; v1(149.91,45.14) C52.2 ; v1(175.32,70.74) 175.33,70.73 LED38.4 ; LED36.4 137.23,70.43 v1(137.21,70.45) ; 272.91,24.28 243.65,24.28 242.3,25.62 ; 272.91,24.28 272.91,24.39 276.91,28.4 284.4,28.4 284.86,27.94 LED71.4 ; 272.91,24.28 275.79,24.28 ; LED13.4 256.62,112.62 259.53,112.62 259.92,112.24 259.92,110.29 258.13,108.5 256.27,108.5 ; v1(183.89,64.84) C39.2 ; LED20.4 108.65,89.8 v1(108.67,89.81) ; 168.59,45.14 v1(168.96,45.14) C53.2 ; 168.59,45.14 v1(188.01,45.14) ; 207.24,108.5 208.5,108.5 C11.2 ; 207.24,108.5 218.96,108.5 ; 207.24,108.5 198.84,108.5 ; 175.59,108.5 164.84,108.5 ; 175.59,108.5 187.97,108.5 ; 175.59,108.5 176.84,108.5 178.96,110.62 178.96,112.29 178.62,112.62 175.66,112.62 LED9.4 ; 164.84,108.5 165.64,108.5 C9.2 ; 164.84,108.5 155.91,108.5 ; LED56.4 237.24,51.32 v1(237.26,51.33) ; 83.98,10.88 v1(123.97,10.88) 126.94,10.88 C76.2 ; LED66.4 170.56,32.33 v1(170.58,32.34) ; v1(161.06,51.19) 161.04,51.18 LED52.4 ; 254.84,48.98 v1(251.56,48.98) 241.16,48.98 237.32,45.14 v1(226.11,45.14) ; 254.84,48.98 260.29,48.98 C57.2 ; 254.84,48.98 254.84,48.84 257.86,45.82 268.95,45.82 272.11,48.98 v1(295.1,48.98) 300.77,48.98 C71.2 ; C14.2 270.42,108.5 ; 270.42,108.5 256.27,108.5 ; 270.42,108.5 281.96,108.5 283.73,110.28 283.73,112.27 283.37,112.62 280.43,112.62 LED14.4 ; C34.2 v1(88.64,64.84) ; v1(88.64,64.84) v1(107.69,64.84) ; v1(88.64,64.84) v1(69.59,64.84) ; 1.99,45.34 C58.2 21.03,26.3 29.78,26.3 ; 1.99,45.34 1.99,59.63 ; 29.78,26.3 33.41,29.93 48.36,29.93 C59.2 ; 29.78,26.3 31.14,24.94 v1(52.86,24.94) v1(63.03,24.94) ; C25.2 v1(193.89,84.36) ; v1(193.89,84.36) v1(212.94,84.36) ; v1(193.89,84.36) v1(174.84,84.36) ; C55.2 v1(207.06,45.14) 206.33,45.14 ; 1.99,59.63 1.99,76.3 ; 108.33,108.5 94.45,108.5 ; 108.33,108.5 108.49,108.5 C6.2 ; 108.33,108.5 119.44,108.5 ; 94.45,108.5 96.13,108.5 97.99,110.37 97.99,112.26 97.63,112.62 94.69,112.62 LED5.4 ; 94.45,108.5 83.88,108.5 ; C78.2 v1(213.55,8.77) ; v1(213.55,8.77) v1(232.6,8.77) ; v1(117.69,84.36) v1(98.64,84.36) ; v1(117.69,84.36) C21.2 ; v1(98.64,84.36) v1(79.59,84.36) ; v1(98.64,84.36) C20.2 ; 256.27,108.5 245.2,108.5 ; v1(155.79,84.36) C23.2 ; v1(155.79,84.36) v1(174.84,84.36) ; C62.2 v1(101.81,25.62) ; v1(101.81,25.62) 78.88,25.62 v1(78.2,24.94) ; v1(101.81,25.62) v1(120.86,25.62) ; LED12.4 237.57,112.62 240.57,112.62 240.87,112.33 240.87,110.49 238.88,108.5 235.12,108.5 ; v1(111.81,45.14) C50.2 ; 222.95,12.28 222.95,13.42 v1(222.98,13.44) ; 261.87,87.12 v1(260.72,87.12) 246.13,87.12 243.37,84.36 v1(231.99,84.36) ; 261.87,87.12 262.63,87.12 C28.2 ; 261.87,87.12 261.87,87.08 264,84.95 272.36,84.95 274.49,87.08 v1(297.97,87.08) 300.77,87.08 C29.2 ; LED37.4 156.28,70.38 v1(156.29,70.39) ; 206.33,45.14 v1(188.01,45.14) ; 206.33,45.14 v1(226.11,45.14) ; LED58.4 308.68,51.35 v1(308.66,51.37) ; LED7.4 137.56,112.62 140.45,112.62 141.02,112.06 141.02,110.62 138.9,108.5 138.39,108.5 ; 1.99,76.3 1.99,90.59 ; 222.74,108.5 227.55,108.5 C12.2 ; 222.74,108.5 218.96,108.5 ; 222.74,108.5 235.12,108.5 ; C43.2 v1(264.86,64.84) ; v1(264.86,64.84) v1(298.19,64.84) C44.2 ; v1(134.82,13.42) 134.84,13.39 LED76.4 ; v1(158.96,25.62) v1(139.91,25.62) ; v1(158.96,25.62) 178.01,25.62 ; v1(158.96,25.62) C65.2 ; v1(139.91,25.62) C64.2 ; v1(139.91,25.62) v1(120.86,25.62) ; v1(78.2,24.94) v1(63.03,24.94) ; v1(78.2,24.94) 82.88,29.62 C61.2 ; v1(63.03,24.94) C60.2 ; 218.96,108.5 219.73,108.5 221.82,110.59 221.82,112.38 221.57,112.62 218.52,112.62 LED11.4 ; v1(107.69,64.84) C35.2 ; v1(132.47,32.36) 132.46,32.36 LED64.4 ; v1(65.78,51.23) 65.79,51.22 LED47.4 ; LED39.4 v1(194.38,70.57) ; v1(308.69,70.53) 308.68,70.52 LED44.4 ; LED34.4 99.13,70.7 v1(99.14,70.71) ; v1(122.98,51.61) 122.94,51.58 LED50.4 ; LED82.4 303.91,8.68 v1(303.91,8.68) ; C13.2 246.6,108.5 245.2,108.5 ; 235.12,108.5 245.2,108.5 ; v1(113.44,32.57) 113.41,32.55 LED63.4 ; v1(231.99,84.36) v1(212.94,84.36) ; v1(231.99,84.36) C27.2 ; v1(212.94,84.36) C26.2 ; C66.2 178.01,25.62 ; 178.01,25.62 197.06,25.62 ; C63.2 v1(120.86,25.62) ; 222.95,88.48 222.95,89.34 v1(222.96,89.34) ; 198.84,108.5 200.71,108.5 202.77,110.56 202.77,112.4 202.54,112.62 199.47,112.62 LED10.4 ; 198.84,108.5 187.97,108.5 ; v1(226.11,45.14) C56.2 ; LED59.4 25.31,32.44 v1(25.31,32.44) ; 275.79,24.28 277.33,22.73 294.18,22.73 v1(295.07,23.62) C72.2 ; v1(118.17,70.3) 118.18,70.29 LED35.4 ; LED79.4 242,13.23 v1(242.02,13.24) ; LED27.4 242,89.81 v1(241.99,89.82) ; 83.88,108.5 84.68,108.5 C5.2 ; 83.88,108.5 76.28,108.5 ; 197.06,25.62 v1(198.82,27.38) C67.2 ; v1(180.09,51.33) 180.09,51.33 LED53.4 ; v1(32.45,89.37) 32.45,89.37 LED16.4 ; v1(325.54,112.73) 325.49,112.68 v1(325.49,104.79) ; 242.3,25.62 C69.2 ; v1(75.35,32.86) 75.31,32.83 LED61.4 ; LED28.4 v1(270.58,89.68) ; LED30.4 18.16,70.59 v1(18.22,70.64) ; LED73.4 15.78,13.81 v1(15.79,13.81) ; 145.73,108.5 146.59,108.5 C8.2 ; 145.73,108.5 155.91,108.5 ; 145.73,108.5 138.39,108.5 ; v1(50.54,64.84) C32.2 ; v1(50.54,64.84) v1(69.59,64.84) ; v1(308.67,89.86) 308.68,89.85 LED29.4 ; C81.2 v1(276.12,6.95) v1(270.62,6.95) ; v1(151.53,32.19) 151.51,32.18 LED65.4 ; 119.44,108.5 127.19,108.5 ; C7.2 127.54,108.5 127.19,108.5 ; v1(79.59,84.36) C19.2 ; v1(232.6,8.77) 235.56,5.81 C80.2 ; v1(232.6,8.77) C79.2 ; C54.2 v1(188.01,45.14) ; v1(69.59,64.84) C33.2 ; 76.28,108.5 76.81,108.5 78.94,110.64 78.94,112.3 78.62,112.62 75.64,112.62 LED4.4 ; 76.28,108.5 64.36,108.5 ; LED22.4 146.75,89.7 v1(146.77,89.71) ; LED68.4 208.66,32.44 v1(208.67,32.44) ; v1(61.02,71.18) 61.03,71.17 LED32.4 ; C4.2 65.63,108.5 64.36,108.5 ; LED46.4 46.74,51.16 v1(46.74,51.16) ; v1(268.22,51.4) 268.19,51.38 LED57.4 ; LED60.4 56.26,33.29 v1(56.27,33.29) ; LED31.4 v1(41.98,70.42) ; 138.39,108.5 127.19,108.5 ; LED18.4 70.55,89.31 v1(70.56,89.31) ; v1(89.63,89.33) 89.6,89.31 89.6,88.48 ; LED74.4 39.59,13.78 v1(39.61,13.79) ; v1(13.53,113.52) 13.53,112.42 LED1.4 ; v1(203.89,89.59) 203.9,89.58 LED25.4 ; C24.2 v1(174.84,84.36) ; v1(308.71,32.61) 308.68,32.58 LED72.4 ; LED33.4 v1(80.08,70.74) ; v1(265.82,8.43) 265.81,8.43 LED80.4 ; LED43.4 275.34,70.39 v1(275.34,70.39) ; v1(103.95,51.49) 103.89,51.44 LED49.4 ; v1(13.43,89.61) 13.4,89.59 LED15.4
